# Altium PCB Urukul.PcbDoc (part 4 of 12) (continued)
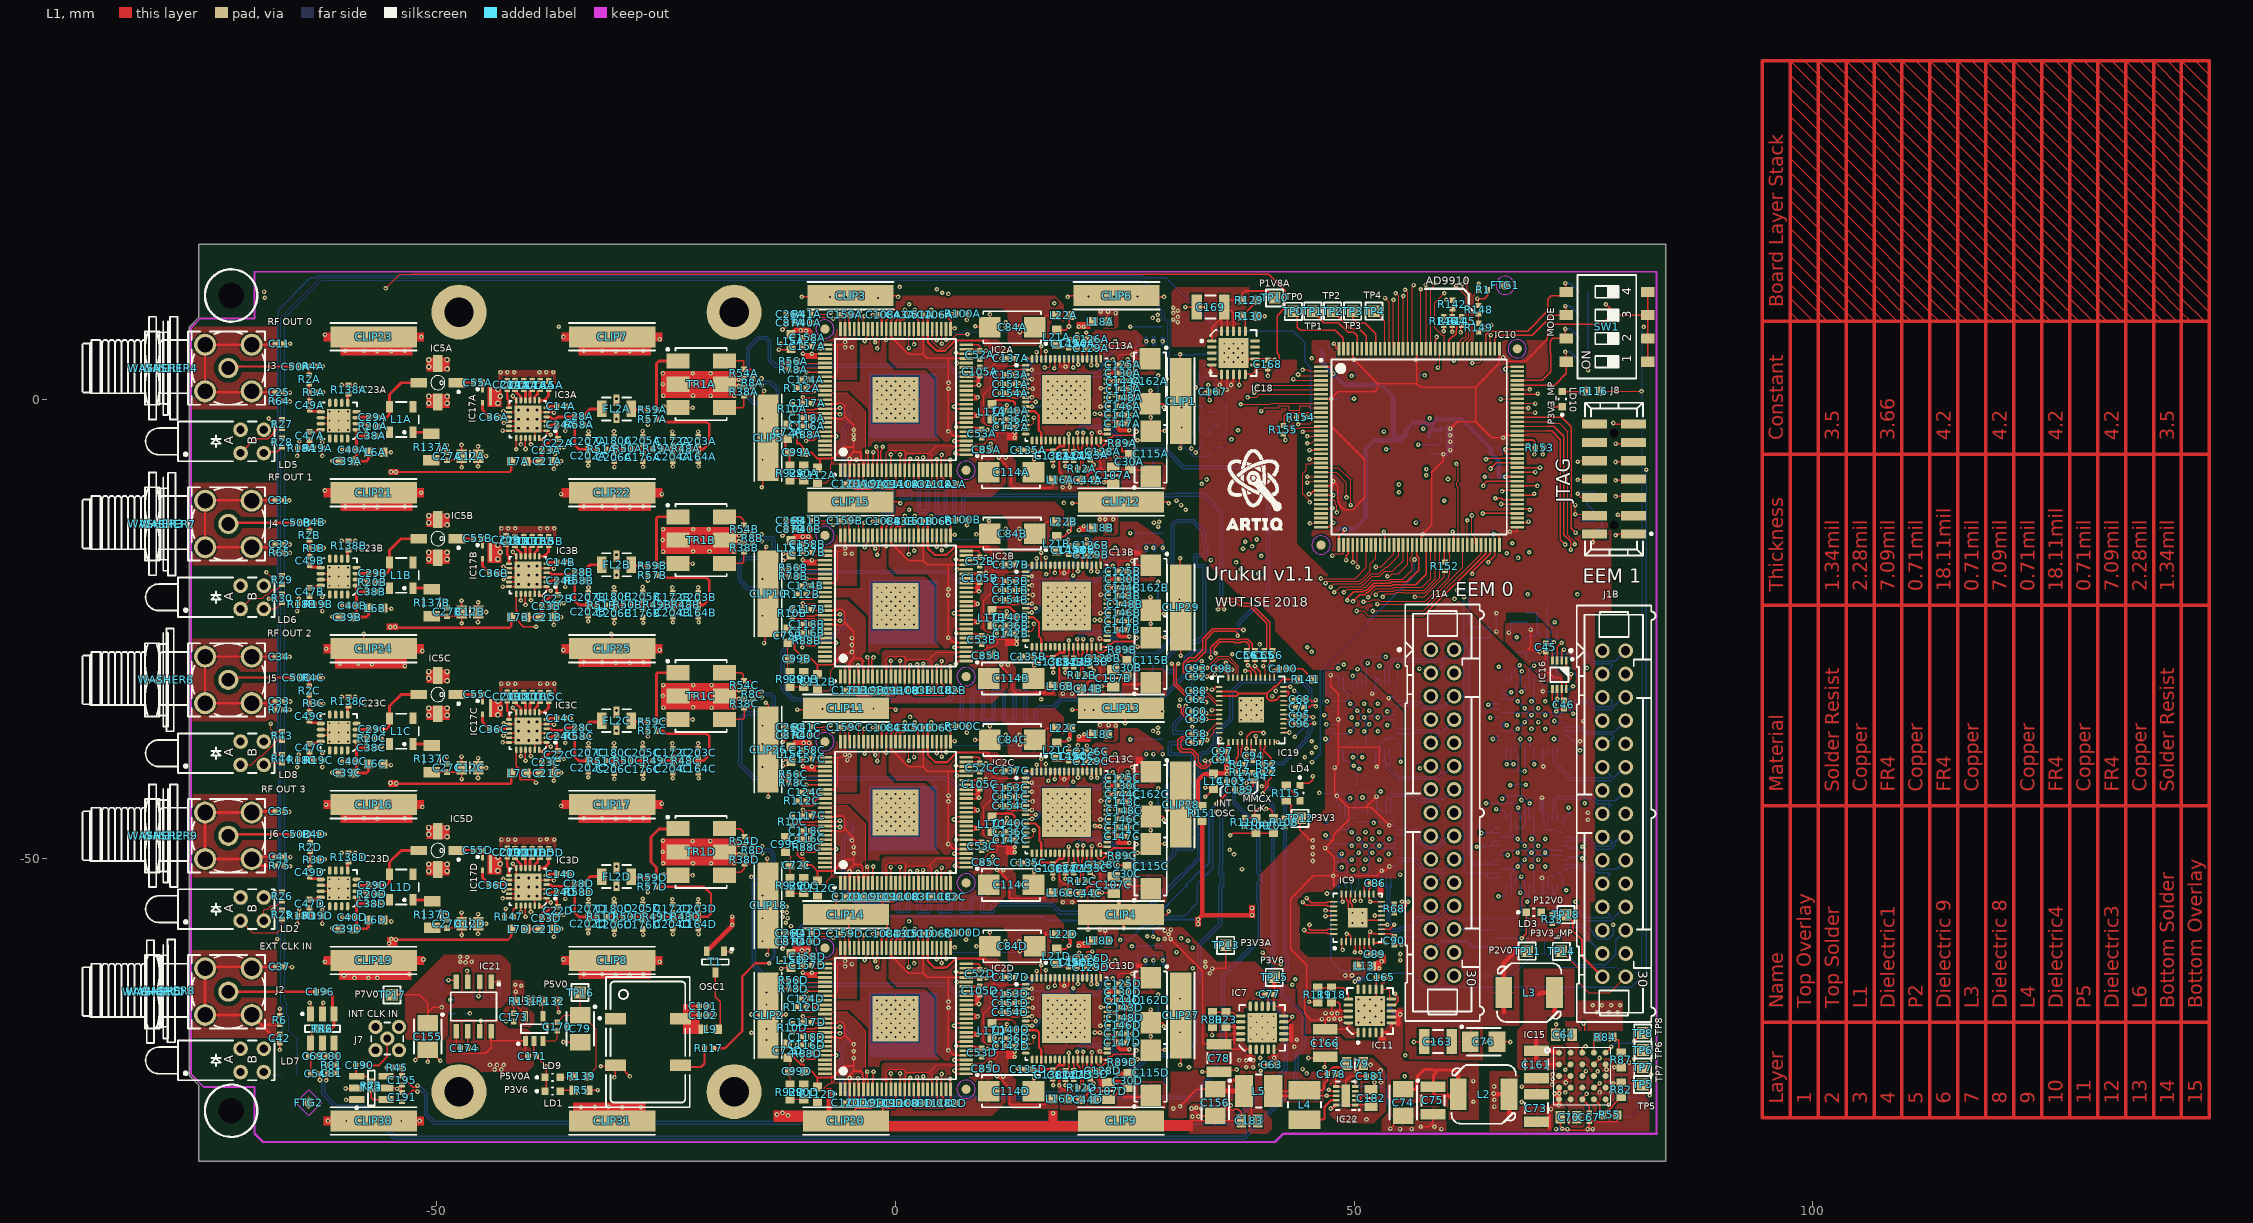
[diagram p0: L1 view]
## Nets (pads, with @x,y where several pads share a name; then routed paths per layer and width w, separated by ;. In a path a pad name is that pad's centre, name@x,y a point inside that pad or via, vN(x,y) a via of type N, cw(c..) or ccw(c..) an arc to the next point about the centre after c; other vN are vias at no path point) (continued)
DDS_CLKA0_N: C93.1 IC13A.28 R12A.2 | length 54.7
  L1 w0.152: v1(20.466,-3.614) 20.466,-4.374 IC13A.28@20.39,-4.45 20.39,-5.087 20.306,-5.172 20.283,-5.172 20.283,-5.893 20.477,-6.088 20.477,-7.21 R12A.2@20.795,-7.528 ; C93.1@32.35,-29.293 32.052,-29.59 31.696,-29.59 31.696,-28.85 32.102,-28.444 32.772,-28.444 33.804,-27.412 33.804,-26.183 34.718,-25.269 37.107,-25.269 37.182,-25.344 37.3,-25.463 v1(37.3,-25.745)
  L6 w0.152: v1(20.466,-3.614) 20.292,-3.44 20.292,-3.126 20.32,-3.099 22.088,-3.099 22.095,-3.092 22.47,-3.092 22.477,-3.099 23.121,-3.099 24.994,-4.972 24.994,-4.998 25.453,-5.457 25.479,-5.457 25.6,-5.578 29.397,-5.578 31.326,-7.507 37.757,-7.507 40.5,-10.25 40.5,-21.098 37.339,-24.259 37.249,-24.349 37.249,-25.133 37.339,-25.222 37.449,-25.332 37.3,-25.481 v1(37.3,-25.745)
DDS_CLKA0_P: C92.1 IC13A.27 R12A.1 | length 56.1
  L1 w0.152: R12A.1@19.855,-7.528 20.173,-7.21 20.173,-6.214 19.978,-6.019 19.978,-5.298 19.89,-5.21 IC13A.27@19.89,-4.45 v1@19.89,-3.69 ; C92.1@32.35,-30.193 32.052,-29.895 31.569,-29.895 31.391,-29.716 31.391,-28.724 31.976,-28.139 32.646,-28.139 33.499,-27.285 33.499,-26.057 34.592,-24.964 37.435,-24.964 ; 37.487,-24.963 37.538,-24.963 37.665,-25.09
  L6 w0.152: v1(19.814,-3.614) 19.988,-3.44 19.988,-3 20.194,-2.794 21.961,-2.794 21.968,-2.787 22.596,-2.787 22.603,-2.794 23.247,-2.794 25.299,-4.846 25.299,-4.872 25.579,-5.152 25.605,-5.152 25.727,-5.273 29.523,-5.273 31.453,-7.203 37.884,-7.203 40.805,-10.124 40.805,-21.224 37.554,-24.475 37.554,-25.007 37.664,-25.117 v1(37.944,-25.117)
DDS_CLKA1_N: C88.1 IC13B.28 R12B.2 | length 59.4
  L1 w0.152: v1(20.466,-26.114) 20.39,-26.19 IC13B.28@20.39,-26.95 20.39,-27.651 20.292,-27.749 20.292,-28.403 20.477,-28.588 20.477,-29.71 R12B.2@20.795,-30.028 ; v1(30.826,-28.799) 30.629,-28.997 30.629,-29.243 30.62,-29.252 30.62,-30.907 31.763,-32.05 32.052,-32.05 C88.1@32.35,-31.753
  L6 w0.152: v1(20.466,-26.114) 20.292,-25.94 20.292,-25.626 20.364,-25.555 23.077,-25.555 24.994,-27.472 24.994,-27.498 25.453,-27.957 28.51,-27.957 30.366,-26.101 30.366,-13.705 30.696,-13.375 32.375,-13.375 33.5,-14.5 33.5,-15.826 ccw(c33.652,-15.826) 33.652,-15.979 33.729,-15.979 33.729,-16.826 32.689,-16.826 ccw(c32.689,-16.979) 32.537,-16.979 32.537,-18.131 ccw(c32.689,-18.131) 32.689,-18.283 33.5,-18.283 33.5,-25.624 32.874,-26.25 ; v1@30.629,-28.85 30.629,-29.302 30.216,-29.716 30.126,-29.805 29.624,-29.805 29.195,-29.376 29.195,-28.314 31.259,-26.25 32.874,-26.25 ; 32.875,-26.249 32.874,-26.25
DDS_CLKA1_P: C62.1 IC13B.27 R12B.1 | length 60
  L1 w0.152: v1(19.814,-26.114) 19.89,-26.19 IC13B.27@19.89,-26.95 19.89,-27.651 19.988,-27.749 19.988,-28.529 20.173,-28.714 20.173,-29.71 R12B.1@19.855,-30.028 ; v1(30.126,-28.799) 30.273,-28.799 30.324,-28.85 30.324,-29.117 ; 30.315,-29.161 30.315,-31.033 31.637,-32.355 32.052,-32.355 C62.1@32.35,-32.653
  L6 w0.152: v1(19.814,-26.114) 19.988,-25.94 19.988,-25.5 20.238,-25.25 23.203,-25.25 25.299,-27.346 25.299,-27.372 25.579,-27.652 28.384,-27.652 30.061,-25.974 30.061,-13.579 30.481,-13.16 30.57,-13.07 32.501,-13.07 33.805,-14.374 33.805,-15.674 33.881,-15.674 cw(c33.881,-15.826) 34.033,-15.826 34.033,-16.979 cw(c33.881,-16.979) 33.881,-17.131 32.842,-17.131 32.842,-17.979 33.652,-17.979 cw(c33.652,-18.131) 33.805,-18.131 33.805,-25.75 33,-26.555 31.385,-26.555 29.5,-28.44 29.5,-29.25 29.75,-29.5 30,-29.5 30.324,-29.176 30.324,-28.997 v1(30.126,-28.799)
DDS_CLKA2_N: C60.1 IC13C.28 R12C.2 | length 60.4
  L1 w0.152: v1@20.39,-48.749 IC13C.28@20.39,-49.45 20.39,-50.151 20.292,-50.249 20.292,-50.903 20.477,-51.088 20.477,-52.21 R12C.2@20.795,-52.528 ; v1(31.639,-33.397) 31.442,-33.594 31.442,-34.022 31.67,-34.25 32.052,-34.25 C60.1@32.35,-33.953
  L6 w0.152: v1(20.466,-48.614) 20.292,-48.44 20.292,-48.126 20.362,-48.057 23.079,-48.057 24.994,-49.972 24.994,-49.998 25.453,-50.457 25.479,-50.457 25.658,-50.636 29.545,-50.636 30.466,-49.716 30.555,-49.626 30.555,-49.155 32.388,-49.155 ccw(c32.388,-49.003) 32.541,-49.003 32.541,-47.85 ccw(c32.388,-47.85) 32.388,-47.698 30.309,-47.698 30.309,-46.85 32.388,-46.85 ccw(c32.388,-46.698) 32.541,-46.698 32.541,-45.545 ccw(c32.388,-45.545) 32.388,-45.393 30.555,-45.393 30.555,-44.545 32.388,-44.545 ccw(c32.388,-44.393) 32.541,-44.393 32.541,-43.241 ccw(c32.388,-43.241) 32.388,-43.088 29.724,-43.088 29.724,-42.241 32.388,-42.241 ccw(c32.388,-42.088) 32.541,-42.088 32.541,-40.936 ccw(c32.388,-40.936) 32.388,-40.783 30.069,-40.783 30.069,-39.936 32.388,-39.936 ccw(c32.388,-39.783) 32.541,-39.783 32.541,-38.631 ccw(c32.388,-38.631) 32.388,-38.479 30.064,-38.479 30.064,-37.631 31.564,-37.631 ccw(c31.564,-37.479) 31.716,-37.479 31.716,-36.326 ccw(c31.564,-36.326) 31.564,-36.174 30.555,-36.174 30.555,-35.452 31.639,-34.367 v1(31.639,-33.397)
DDS_CLKA2_P: C59.1 IC13C.27 R12C.1 | length 61.2
  L1 w0.152: v1@19.801,-48.601 v1(19.814,-48.614) 19.89,-48.69 IC13C.27@19.89,-49.45 19.89,-50.151 19.988,-50.249 19.988,-51.029 20.173,-51.214 20.173,-52.21 R12C.1@19.855,-52.528 ; v1(30.939,-33.397) 31.137,-33.594 31.137,-34.148 31.534,-34.545 31.534,-34.555 32.052,-34.555 C59.1@32.35,-34.853
  L6 w0.152: v1(19.814,-48.614) 19.988,-48.44 19.988,-48 20.236,-47.752 23.205,-47.752 25.299,-49.846 25.299,-49.872 25.579,-50.152 25.605,-50.152 25.784,-50.331 29.419,-50.331 30.25,-49.5 30.25,-49.003 cw(c30.402,-49.003) 30.402,-48.85 32.236,-48.85 32.236,-48.003 30.156,-48.003 cw(c30.156,-47.85) 30.004,-47.85 30.004,-46.698 cw(c30.156,-46.698) 30.156,-46.545 32.236,-46.545 32.236,-45.698 30.402,-45.698 cw(c30.402,-45.545) 30.25,-45.545 30.25,-44.393 cw(c30.402,-44.393) 30.402,-44.241 32.236,-44.241 32.236,-43.393 29.571,-43.393 cw(c29.571,-43.241) 29.419,-43.241 29.419,-42.088 cw(c29.571,-42.088) 29.571,-41.936 32.236,-41.936 32.236,-41.088 29.917,-41.088 cw(c29.917,-40.936) 29.764,-40.936 29.764,-39.783 cw(c29.917,-39.783) 29.917,-39.631 32.236,-39.631 32.236,-38.783 29.911,-38.783 cw(c29.911,-38.631) 29.759,-38.631 29.759,-37.479 cw(c29.911,-37.479) 29.911,-37.326 31.411,-37.326 31.411,-36.479 30.402,-36.479 cw(c30.402,-36.326) 30.25,-36.326 30.25,-35.326 31.251,-34.324 31.251,-33.709 v1(30.939,-33.397)
DDS_CLKA3_N: C58.1 IC13D.28 R12D.2 | length 60.6
  L1 w0.152: v1@20.39,-71.249 IC13D.28@20.39,-71.95 20.39,-72.817 20.477,-72.904 20.477,-74.71 R12D.2@20.795,-75.028 ; C58.1@32.35,-36.453 31.764,-36.453 31.466,-36.75 31.205,-36.75 30.798,-37.157 30.798,-38.012 31.23,-38.445 32.246,-38.445 32.703,-38.902 32.703,-39.638 33.262,-40.198 33.845,-40.198 34.405,-39.638 v1(34.405,-39.381)
  L6 w0.152: v1(20.466,-71.114) 20.292,-70.94 20.292,-70.626 20.364,-70.555 23.077,-70.555 24.994,-72.472 24.994,-72.498 25.173,-72.676 25.208,-72.676 25.463,-72.932 26.499,-72.932 27.769,-71.662 31.269,-71.662 32.805,-70.126 32.805,-63.945 33.305,-63.445 33.305,-59.531 35.569,-57.268 35.569,-55.555 35.569,-53.131 35.645,-53.131 ccw(c35.645,-52.979) 35.797,-52.979 35.797,-51.826 ccw(c35.645,-51.826) 35.645,-51.674 35.569,-51.674 35.569,-50.834 35.658,-50.745 35.658,-45.46 36.116,-45.002 36.116,-43.353 35.658,-42.896 35.658,-41.823 34.227,-40.392 34.227,-39.559 v1(34.405,-39.381)
DDS_CLKA3_P: C57.1 IC13D.27 R12D.1 | length 59.3
  L1 w0.152: R12D.1@19.855,-75.028 20.173,-74.71 20.173,-73.03 20.085,-72.943 20.085,-72.812 19.822,-72.548 19.822,-72.018 IC13D.27@19.89,-71.95 v1@19.89,-71.19 ; C57.1@32.35,-37.353 31.764,-37.353 31.466,-37.055 31.331,-37.055 31.103,-37.284 31.103,-37.886 31.357,-38.14 32.372,-38.14 33.008,-38.776 33.008,-39.512 33.389,-39.893 33.719,-39.893 33.926,-39.685 v1@33.719,-39.478
  L6 w0.152: v1(19.814,-71.114) 19.988,-70.94 19.988,-70.5 20.238,-70.25 23.203,-70.25 25.299,-72.346 25.299,-72.372 25.335,-72.372 25.59,-72.627 26.373,-72.627 27.643,-71.357 31.143,-71.357 32.5,-70 32.5,-63.819 33,-63.319 33,-59.405 34.442,-57.963 35.264,-57.141 35.264,-55.555 35.264,-52.979 cw(c35.416,-52.979) 35.416,-52.826 35.493,-52.826 35.493,-51.979 35.416,-51.979 cw(c35.416,-51.826) 35.264,-51.826 35.264,-50.708 35.353,-50.619 35.353,-45.334 35.811,-44.876 35.811,-43.479 35.353,-43.022 35.353,-41.949 33.922,-40.518 33.922,-39.537 v1(33.744,-39.359)
DDS_CLKB0_N: C66.1 IC2A.91 R10A.2 | length 103.8
  L1 w0.152: R10A.2@-11.25,-1.723 -10.664,-1.723 -10.643,-1.702 -10.643,-1.608 -10.437,-1.402 -8.824,-1.402 -8.726,-1.5 IC2A.91@-7.7,-1.5 v1@-6.15,-1.5 ; v1(35.167,-22.849) 35.344,-22.672 35.344,-22.164 35.802,-21.706 37.249,-21.706 37.737,-22.195 38.754,-22.195 40.805,-24.246 40.805,-27.108 C66.1@41.1,-27.403
  L6 w0.152: v1(-6.05,-1.6) -5.852,-1.402 -5.642,-1.402 -5.302,-1.742 -5.302,-2.605 -5.805,-3.107 -5.805,-8.179 -3.376,-10.607 -2.204,-10.607 -2.115,-10.518 -2.115,-9.983 -1.455,-9.983 -1.455,-12.629 -1.365,-12.718 -0.274,-12.718 -0.185,-12.629 -0.185,-9.442 0.476,-9.442 0.476,-10.751 0.565,-10.84 1.657,-10.84 1.746,-10.751 1.746,-9.442 2.406,-9.442 2.406,-12.263 2.495,-12.352 3.587,-12.352 3.676,-12.263 3.676,-9.442 4.337,-9.442 4.337,-12.629 4.426,-12.718 5.517,-12.718 5.607,-12.629 5.607,-9.442 6.267,-9.442 6.267,-12.623 6.356,-12.712 7.448,-12.712 7.537,-12.623 7.537,-10.607 30.356,-10.607 30.442,-10.522 33.522,-10.522 35.353,-12.353 35.353,-22.646 35.167,-22.833 v1(35.167,-22.849)
DDS_CLKB0_P: C65.1 IC2A.90 R10A.1 | length 103.3
  L1 w0.152: R10A.1@-11.25,-0.783 -10.664,-0.783 -10.349,-1.098 -8.824,-1.098 -8.726,-1 IC2A.90@-7.7,-1 v1@-6.15,-1 ; v1(35.827,-22.849) 35.649,-22.672 35.649,-22.291 35.929,-22.011 37.122,-22.011 37.611,-22.5 38.628,-22.5 40.501,-24.373 40.501,-27.102 C65.1@40.2,-27.403
  L6 w0.152: v1(-6.05,-0.9) -5.916,-1.034 -5.852,-1.098 -5.414,-1.098 -4.998,-1.514 -4.998,-2.731 -5.5,-3.234 -5.5,-8.053 -3.25,-10.303 -2.42,-10.303 -2.42,-9.767 -2.331,-9.678 -1.239,-9.678 -1.15,-9.767 -1.15,-12.414 -0.489,-12.414 -0.489,-9.226 -0.4,-9.137 0.691,-9.137 0.781,-9.226 0.781,-10.536 1.441,-10.536 1.441,-9.226 1.53,-9.137 2.622,-9.137 2.711,-9.226 2.711,-12.047 3.371,-12.047 3.371,-9.226 3.461,-9.137 4.552,-9.137 4.641,-9.226 4.641,-12.414 5.302,-12.414 5.302,-9.226 5.391,-9.137 6.483,-9.137 6.572,-9.226 6.572,-12.407 7.232,-12.407 7.232,-10.392 7.321,-10.303 30.23,-10.303 30.316,-10.217 33.648,-10.217 35.658,-12.227 35.658,-22.68 v1(35.827,-22.849)
DDS_CLKB1_N: C61.1 IC2B.91 R10B.2 | length 103.2
  L1 w0.152: R10B.2@-11.25,-23.753 -11.1,-23.902 -8.824,-23.902 -8.726,-24 IC2B.91@-7.7,-24 -6.15,-24 v1(-6.05,-24.1) ; v1(34.388,-28.113) 34.388,-26.997 35.284,-26.101 37.015,-26.101 37.112,-26.198 37.488,-26.198 37.586,-26.101 38.387,-26.101 38.902,-26.616 38.902,-27.105 C61.1@39.2,-27.403
  L6 w0.152: v1(-6.05,-24.1) -5.852,-23.902 -5.75,-23.902 -5.5,-24.152 -5.5,-24.477 -6.12,-25.097 -6.349,-25.097 -6.439,-25.186 -7.201,-25.948 -11.061,-25.948 -12.369,-27.257 -12.458,-27.346 -12.458,-31.586 -12.369,-31.676 -11.187,-32.857 6.076,-32.857 ccw(c6.076,-32.705) 6.229,-32.705 6.229,-31.942 7.076,-31.942 7.076,-35.066 ccw(c7.229,-35.066) 7.229,-35.218 8.381,-35.218 ccw(c8.381,-35.066) 8.533,-35.066 8.533,-31.942 9.381,-31.942 9.381,-34.988 ccw(c9.533,-34.988) 9.533,-35.14 10.686,-35.14 ccw(c10.686,-34.988) 10.838,-34.988 10.838,-31.942 11.686,-31.942 11.686,-35.066 ccw(c11.838,-35.066) 11.838,-35.218 12.991,-35.218 ccw(c12.991,-35.066) 13.143,-35.066 13.143,-31.942 13.991,-31.942 13.991,-35.066 ccw(c14.143,-35.066) 14.143,-35.218 15.295,-35.218 ccw(c15.295,-35.066) 15.448,-35.066 15.448,-34.057 15.824,-33.68 17.322,-33.68 18.145,-32.857 23.576,-32.857 ccw(c23.576,-32.705) 23.729,-32.705 23.729,-32.088 24.576,-32.088 24.576,-32.705 ccw(c24.729,-32.705) 24.729,-32.857 28.957,-32.857 31.797,-30.018 31.797,-28.296 31.87,-28.223 31.87,-28.219 32.534,-27.555 34.185,-27.555 34.388,-27.758 v1(34.388,-28.113)
DDS_CLKB1_P: C56.1 IC2B.90 R10B.1 | length 102.3
  L1 w0.152: R10B.1@-11.25,-22.813 -10.813,-23.25 -10.75,-23.25 -10.402,-23.598 -8.824,-23.598 -8.726,-23.5 IC2B.90@-7.7,-23.5 -6.15,-23.5 v1(-6.05,-23.4) ; v1(34.921,-27.656) 34.744,-27.478 34.744,-27.072 35.41,-26.405 36.889,-26.405 36.986,-26.503 37.614,-26.503 37.712,-26.405 38.261,-26.405 38.598,-26.742 38.598,-27.105 C56.1@38.3,-27.403
  L6 w0.152: v1(-6.05,-23.4) -5.852,-23.598 -5.624,-23.598 -5.195,-24.026 -5.195,-24.603 -5.994,-25.402 -6.223,-25.402 -7.074,-26.253 -10.934,-26.253 -12.154,-27.472 -12.154,-31.46 -11.061,-32.553 5.924,-32.553 5.924,-31.789 cw(c6.076,-31.789) 6.076,-31.637 7.229,-31.637 cw(c7.229,-31.789) 7.381,-31.789 7.381,-34.914 8.229,-34.914 8.229,-31.789 cw(c8.381,-31.789) 8.381,-31.637 9.533,-31.637 cw(c9.533,-31.789) 9.686,-31.789 9.686,-34.836 10.533,-34.836 10.533,-31.789 cw(c10.686,-31.789) 10.686,-31.637 11.838,-31.637 cw(c11.838,-31.789) 11.991,-31.789 11.991,-34.914 12.838,-34.914 12.838,-31.789 cw(c12.991,-31.789) 12.991,-31.637 14.143,-31.637 cw(c14.143,-31.789) 14.295,-31.789 14.295,-34.914 15.143,-34.914 15.143,-33.931 15.698,-33.376 17.196,-33.376 18.019,-32.553 23.414,-32.553 23.424,-32.543 23.424,-31.935 cw(c23.576,-31.935) 23.576,-31.783 24.729,-31.783 cw(c24.729,-31.935) 24.881,-31.935 24.881,-32.553 28.831,-32.553 31.492,-29.891 31.492,-28.17 31.565,-28.097 31.565,-28.092 32.408,-27.25 34.311,-27.25 34.717,-27.656 v1(34.921,-27.656)
DDS_CLKB2_N: C71.1 IC2C.91 R10C.2 | length 103.9
  L1 w0.152: R10C.2@-11.25,-46.47 -10.932,-46.152 -10.79,-46.152 -10.54,-46.402 -8.824,-46.402 -8.726,-46.5 IC2C.91@-7.7,-46.5 -6.05,-46.5 v1@-6.024,-46.5 ; C71.1@44.55,-33.553 45.136,-33.553 45.434,-33.255 45.733,-33.255 45.809,-33.331 v1(45.809,-33.441)
  L6 w0.152: v1(-6.05,-46.6) -5.852,-46.402 -5.134,-46.402 -4.905,-46.631 -4.905,-47.086 -5.109,-47.289 -5.839,-48.02 -5.839,-53.463 -5.716,-53.587 -4.192,-55.11 -4.103,-55.2 -0.924,-55.2 ccw(c-0.924,-55.047) -0.771,-55.047 -0.771,-54.442 0.076,-54.442 0.076,-55.761 ccw(c0.229,-55.761) 0.229,-55.913 1.381,-55.913 ccw(c1.381,-55.761) 1.533,-55.761 1.533,-54.442 2.381,-54.442 2.381,-55.802 ccw(c2.533,-55.802) 2.533,-55.954 3.686,-55.954 ccw(c3.686,-55.802) 3.838,-55.802 3.838,-54.442 4.686,-54.442 4.686,-55.802 ccw(c4.838,-55.802) 4.838,-55.954 5.991,-55.954 ccw(c5.991,-55.802) 6.143,-55.802 6.143,-54.442 6.991,-54.442 6.991,-55.802 ccw(c7.143,-55.802) 7.143,-55.954 8.295,-55.954 ccw(c8.295,-55.802) 8.448,-55.802 8.448,-54.442 9.295,-54.442 9.295,-55.802 ccw(c9.448,-55.802) 9.448,-55.954 10.6,-55.954 ccw(c10.6,-55.802) 10.753,-55.802 10.753,-55.2 17,-55.2 17.908,-56.107 27.081,-56.107 29.486,-53.703 29.612,-53.703 33.245,-50.069 33.245,-39.365 33.279,-39.332 33.266,-39.319 33.266,-38.943 33.531,-38.678 33.907,-38.678 33.92,-38.691 34.951,-37.659 34.951,-36.668 36.776,-34.844 36.776,-31.949 37.87,-30.854 44.238,-30.854 45.063,-31.679 45.063,-33.229 45.276,-33.441 v1(45.809,-33.441)
DDS_CLKB2_P: C68.1 IC2C.90 R10C.1 | length 103.9
  L1 w0.152: R10C.1@-11.25,-45.53 -10.932,-45.848 -10.537,-45.848 -10.287,-46.098 -8.824,-46.098 -8.726,-46 IC2C.90@-7.7,-46 -6.15,-46 v1(-6.05,-45.9) ; C68.1@44.55,-32.653 45.136,-32.653 45.434,-32.95 45.733,-32.95 45.809,-32.874 v1(45.809,-32.755)
  L6 w0.152: v1(-6.05,-45.9) -5.852,-46.098 -5.008,-46.098 -4.601,-46.505 -4.601,-47.212 -5.534,-48.146 -5.534,-53.337 -3.977,-54.895 -1.076,-54.895 -1.076,-54.289 cw(c-0.924,-54.289) -0.924,-54.137 0.229,-54.137 cw(c0.229,-54.289) 0.381,-54.289 0.381,-55.609 1.229,-55.609 1.229,-54.289 cw(c1.381,-54.289) 1.381,-54.137 2.533,-54.137 cw(c2.533,-54.289) 2.686,-54.289 2.686,-55.649 3.533,-55.649 3.533,-54.289 cw(c3.686,-54.289) 3.686,-54.137 4.838,-54.137 cw(c4.838,-54.289) 4.991,-54.289 4.991,-55.649 5.838,-55.649 5.838,-54.289 cw(c5.991,-54.289) 5.991,-54.137 7.143,-54.137 cw(c7.143,-54.289) 7.295,-54.289 7.295,-55.649 8.143,-55.649 8.143,-54.289 cw(c8.295,-54.289) 8.295,-54.137 9.448,-54.137 cw(c9.448,-54.289) 9.6,-54.289 9.6,-55.649 10.448,-55.649 10.448,-55.047 cw(c10.6,-55.047) 10.6,-54.895 17.127,-54.895 18.034,-55.803 26.955,-55.803 29.36,-53.398 29.486,-53.398 32.941,-49.943 32.941,-39.239 32.961,-39.219 32.961,-38.817 33.405,-38.373 33.807,-38.373 34.646,-37.533 34.646,-36.542 36.471,-34.717 36.471,-31.823 37.488,-30.806 37.744,-30.549 44.364,-30.549 44.716,-30.901 45.301,-31.485 45.368,-31.553 45.368,-33 45.428,-33.06 45.513,-33.06 45.809,-32.764 v1(45.809,-32.755)
DDS_CLKB3_N: C96.1 IC2D.91 R10D.2 | length 104.6
  L1 w0.152: R10D.2@-11.25,-68.97 -11.185,-68.905 -10.163,-68.905 ; -10.163,-68.902 -8.824,-68.902 -8.726,-69 IC2D.91@-7.7,-69 -6.15,-69 v1@-6.061,-69.089 ; C96.1@44.55,-35.353 44.607,-35.295 44.942,-35.63 45.219,-35.353 45.523,-35.353 45.606,-35.27 v1(45.657,-35.27)
  L6 w0.152: v1(-6.05,-69.1) -5.852,-68.902 -5.65,-68.902 -5.25,-69.303 -5.25,-69.803 -6.055,-70.607 -6.055,-71.247 -5.999,-71.302 -5.999,-71.698 -6.055,-71.753 -6.055,-75.179 -4.987,-76.247 14.814,-76.247 15.278,-75.783 22.602,-75.783 23.066,-76.247 32.202,-76.247 35.048,-73.401 35.048,-70.918 35.833,-70.133 35.833,-62.939 39.72,-59.053 39.868,-58.905 39.868,-54.74 39.72,-54.592 39.716,-54.587 39.716,-52.881 39.792,-52.881 ccw(c39.792,-52.729) 39.944,-52.729 39.944,-51.576 ccw(c39.792,-51.576) 39.792,-51.424 39.716,-51.424 39.716,-46.548 37.055,-43.888 37.055,-40.839 38.071,-39.823 42.287,-39.823 44.912,-37.198 44.912,-37.052 45.192,-36.772 45.192,-36.268 45.428,-36.032 45.428,-35.397
DDS_CLKB3_P: C95.1 IC2D.90 R10D.1 | length 104.7
  L1 w0.152: R10D.1@-11.25,-68.03 -11.03,-68.25 -10.75,-68.25 -10.402,-68.598 -8.824,-68.598 -8.726,-68.5 IC2D.90@-7.7,-68.5 v1@-6.15,-68.5 ; C95.1@44.55,-34.453 45.093,-34.453 45.254,-34.614 45.53,-34.614 v1(45.53,-34.61)
  L6 w0.152: v1(-6.05,-68.4) -5.852,-68.598 -5.524,-68.598 -5.034,-69.087 -4.945,-69.176 -4.945,-69.929 -5.034,-70.018 -5.75,-70.734 -5.75,-71.12 -5.695,-71.176 -5.695,-71.824 -5.75,-71.88 -5.75,-75.053 -4.861,-75.942 14.688,-75.942 15.151,-75.478 22.728,-75.478 23.192,-75.942 32.076,-75.942 34.744,-73.275 34.744,-70.792 35.529,-70.007 35.529,-62.813 39.563,-58.778 39.563,-54.866 39.5,-54.803 39.411,-54.713 39.411,-52.729 cw(c39.563,-52.729) 39.563,-52.576 39.639,-52.576 39.639,-51.729 39.563,-51.729 cw(c39.563,-51.576) 39.411,-51.576 39.411,-46.674 36.75,-44.014 36.75,-40.713 37.945,-39.518 42.16,-39.518 44.607,-37.071 44.607,-36.926 44.887,-36.646 44.887,-36.142 45.066,-35.964 45.066,-35.088 45.063,-35.085 45.179,-34.969 45.221,-34.969 45.53,-34.66 v1(45.53,-34.61)
DDS_CSN0: IC2A.70 IC10.119 IC13A.61 | length 74.7
  L1 w0.127: IC2A.70@-3.5,7.7 -3.5,8.997 v1(-3.4,9.097) ; IC13A.61@16.39,4.45 16.39,5.262 v1(16.4,5.272) ; IC10.119@60.85,5.547 60.855,5.543 v1@60.855,4.25
  L4 w0.127: v1(-3.4,9.097) -3.4,8.572 -2.7,7.872 5.175,7.872 6.371,6.676 8.038,6.676 8.184,6.822 13.051,6.822 13.252,6.621 13.868,6.621 14.069,6.822 16.275,6.822 16.4,6.697 v1(16.4,5.272) 16.694,5.272 17.928,6.506 19.44,6.506 19.542,6.405 21.06,6.405 21.41,6.754 21.41,6.871 22.009,7.471 22.126,7.471 22.612,7.957 24.614,7.957 24.768,7.802 25.083,7.802 25.404,7.482 25.848,7.482 26.323,7.957 28.205,7.957 28.462,7.7 34.732,7.7 34.746,7.713 40.091,7.713 40.105,7.7 40.34,7.7 44.005,4.035 45.583,4.035 45.735,3.882 50.193,3.882 50.513,3.561 56.237,3.561 56.557,3.882 56.943,3.882 57.305,4.245 59.448,4.245 59.472,4.221 60.861,4.221 v1(60.89,4.25)
DDS_CSN1: IC2B.70 IC10.5 IC13B.61 | length 73.9
  L1 w0.127: IC2B.70@-3.5,-14.8 -3.5,-13.503 v1(-3.4,-13.403) ; IC13B.61@16.39,-18.05 16.39,-17.238 v1(16.4,-17.228) ; v1(39.39,1.5) 39.487,1.597 IC10.5@46.4,1.597
  L3 w0.127: v1(39.39,-15.25) 39.419,-15.221 39.419,-13.439 39.419,0.371 39.606,0.557 39.606,1.285 v1(39.39,1.5)
  L4 w0.127: v1(-3.4,-13.403) -3.4,-13.928 -2.7,-14.628 5.175,-14.628 6.225,-15.678 16.275,-15.678 16.4,-15.803 v1(16.4,-17.228) 16.875,-17.228 18.345,-15.758 19.17,-15.758 20.445,-14.483 21.419,-14.483 21.529,-14.373 24.759,-14.373 25.404,-15.018 25.79,-15.018 26.333,-14.475 38.86,-14.475 39.39,-15.005 v1(39.39,-15.25)
DDS_CSN2: IC2C.70 IC10.16 IC13C.61 | length 92.4
  L1 w0.127: IC2C.70@-3.5,-37.3 -3.5,-36.003 v1(-3.4,-35.903) ; IC13C.61@16.39,-40.55 16.39,-39.738 v1(16.4,-39.728) ; v1(44.89,-4) 46.303,-4 IC10.16@46.4,-3.903
  L3 w0.127: v1(44.89,-4) 44.062,-4.828 44.062,-27.817 44.728,-28.482 44.728,-30.018 44.706,-30.039 44.706,-30.861 44.982,-31.136 44.982,-32.364 44.708,-32.637 44.708,-36.081 45.39,-36.762 v1(45.39,-37.25)
  L4 w0.127: v1(-3.4,-35.903) -3.4,-36.428 -2.7,-37.128 5.175,-37.128 6.225,-38.178 16.275,-38.178 16.4,-38.303 v1(16.4,-39.728) 17.611,-39.728 19.352,-37.986 19.352,-37.57 19.72,-37.203 20.275,-37.203 20.521,-36.956 20.773,-36.956 20.827,-36.902 24.355,-36.902 25.067,-37.613 26.182,-37.613 26.689,-37.106 33.335,-37.106 33.807,-37.578 36.987,-37.578 37.518,-37.047 38.673,-37.047 38.808,-37.182 40.145,-37.182 40.482,-36.845 42.177,-36.845 42.582,-37.25 v1(45.39,-37.25)
DDS_CSN3: IC2D.70 IC10.24 IC13D.61 | length 113.3
  L1 w0.127: IC2D.70@-3.5,-59.8 -3.5,-58.503 v1(-3.4,-58.403) ; IC13D.61@16.39,-63.05 16.39,-62.238 v1(16.4,-62.228) ; IC10.24@46.4,-7.903 48.043,-7.903 49.174,-9.034 v1(49.174,-10.653)
  L3 w0.127: v1(31.14,-58.75) 31.053,-58.663 31.053,-57.785 31.404,-57.434 31.404,-38.5 32.797,-37.107 32.797,-35.5 32.39,-35.094 32.39,-13.25 31.606,-12.465 31.447,-12.465 31.174,-12.193 31.174,-11.534 v1(31.14,-11.5)
  L4 w0.127: v1(-3.4,-58.403) -3.4,-58.928 -2.7,-59.628 5.175,-59.628 6.225,-60.678 16.275,-60.678 16.4,-60.803 v1(16.4,-62.228) 17.038,-62.228 17.044,-62.221 20.514,-62.221 20.52,-62.228 20.625,-62.228 22.7,-60.153 25.164,-60.153 25.214,-60.202 26.225,-60.202 26.825,-59.603 29.834,-59.603 30.216,-59.221 30.669,-59.221 v1(31.14,-58.75) ; v1(31.14,-11.5) 31.17,-11.47 44.807,-11.47 44.979,-11.642 46.695,-11.642 47.332,-11.006 47.335,-11.006 47.452,-11.122 48.048,-11.122 48.165,-11.006 48.821,-11.006 v1(49.174,-10.653)
DDS_I/O_RESET: IC2A.71 IC2B.71 IC2C.71 IC2D.71 IC10.129 | length 144.4
  L1 w0.127: IC2D.71@-4,-59.8 -4,-58.003 v1(-3.9,-57.903) ; IC2C.71@-4,-37.3 -4,-35.503 v1(-3.9,-35.403) ; IC2B.71@-4,-14.8 -4,-13.003 v1(-3.9,-12.903) ; IC2A.71@-4,7.7 -4,9.497 v1(-3.9,9.597) ; v1(55.572,11.993) 55.85,11.715 IC10.129@55.85,5.547
  L3 w0.127: v1(-3.9,-57.903) -3.9,-52.036 -3.534,-51.67 -3.534,-51.581 -3.542,-51.573 -3.542,-51.277 -3.9,-50.919 v1(-3.9,-35.403) -3.9,-29.536 -3.534,-29.17 -3.534,-29.076 -3.542,-29.068 -3.542,-28.777 -3.866,-28.454 -3.866,-12.903 -3.866,-7.001 -3.534,-6.67 -3.534,-6.285 -3.9,-5.919 v1(-3.9,9.597) -3.9,10.097 -3.21,10.788 -3.21,11.538 -2.449,12.298 v1(0.454,12.298)
  L4 w0.127: v1(0.454,12.298) 0.724,12.569 54.996,12.569 v1(55.572,11.993)
DDS_PLL_LOCK0: IC2A.19 IC10.21 | length 46.8
  L1 w0.127: IC2A.19@3,-7.7 3,-6.314 v1(3.011,-6.303) ; v1(45.14,-6.5) 45.237,-6.403 IC10.21@46.4,-6.403
  L4 w0.127: v1(3.011,-6.303) 3.265,-6.303 4.211,-5.357 9.835,-5.357 10.054,-5.576 10.692,-5.576 10.911,-5.357 11.944,-5.357 12.97,-6.383 13.96,-6.383 14.417,-5.927 23.125,-5.927 23.56,-6.361 23.56,-6.432 23.818,-6.69 24.182,-6.69 24.369,-6.504 35.172,-6.504 35.611,-6.065 44.705,-6.065 v1(45.14,-6.5)
DDS_PLL_LOCK1: IC2B.19 IC10.35 | length 61.7
  L1 w0.127: IC2B.19@3,-30.2 3,-28.814 v1(3.011,-28.803) ; v1(45.187,-13.466) 46.337,-13.466 IC10.35@46.4,-13.403
  L3 w0.127: v1(45.187,-13.466) 45.187,-13.883 45.373,-14.07 v1@45.373,-27.483 ; v1@45.361,-27.471 v1@45.373,-27.483 ; v1(45.39,-27.5) v1@45.373,-27.483
  L4 w0.127: v1(3.011,-28.803) 3.011,-29.173 3.61,-29.772 16.558,-29.772 17.018,-29.312 17.058,-29.312 17.596,-28.774 23.651,-28.774 24.067,-29.19 29.077,-29.19 29.934,-28.334 30.913,-28.334 30.929,-28.35 32.126,-28.35 33.691,-26.785 38.387,-26.785 39.124,-27.521 45.369,-27.521 v1(45.39,-27.5)
DDS_PLL_LOCK2: IC2C.19 IC10.41 | length 86.4
  L1 w0.127: IC2C.19@3,-52.7 3,-51.314 v1(3.011,-51.303) ; IC10.41@50.35,-15.853 50.35,-17.552 50.355,-17.557 50.355,-18.215 v1(50.39,-18.25)
  L3 w0.127: v1(36.906,-49.581) 37.273,-49.214 37.273,-47.178 37.14,-47.045 37.14,-35.922 36.852,-35.633 36.852,-30.991 37.419,-30.424 37.419,-28.066 37.436,-28.05 37.436,-27.819 38.189,-27.066 38.189,-26.198 38.735,-25.652 38.735,-24.462 37.656,-23.383 37.656,-18.516 v1(37.64,-18.5)
  L4 w0.127: v1(3.011,-51.303) 3.011,-50.473 4.467,-49.017 8.582,-49.017 9.014,-49.448 10.208,-49.448 10.335,-49.321 11.427,-49.321 12.177,-50.072 13.298,-50.072 13.514,-49.856 23.187,-49.856 23.288,-49.754 23.877,-49.754 24.699,-50.576 25.704,-50.576 25.798,-50.483 36.004,-50.483 v1(36.906,-49.581) ; v1(37.64,-18.5) 44.662,-18.5 45.018,-18.143 47.498,-18.143 47.854,-18.5 50.14,-18.5 v1(50.39,-18.25)
DDS_PLL_LOCK3: IC2D.19 IC10.49 | length 114.3
  L1 w0.127: IC2D.19@3,-75.2 3,-73.828 v1(3.025,-73.803) ; v1(52.39,-18.25) 52.35,-18.21 52.39,-18.21 52.943,-18.21 54.35,-16.803 IC10.49@54.35,-15.853
  L3 w0.127: v1(39.57,-19) 39.57,-26.195 39.256,-26.509 39.256,-28.486 39.64,-28.87 39.64,-31.924 40.327,-32.611 40.327,-32.934 40.738,-33.345 40.738,-39.923 40.967,-40.152 40.967,-62.656 40.586,-63.037 40.586,-65.425 41.677,-66.516 41.677,-70.176 41.551,-70.302 40.434,-70.302 40.307,-70.429 40.307,-72.689 v1(39.824,-73.172)
  L4 w0.127: v1(3.025,-73.803) 3.642,-73.803 4.307,-74.468 4.693,-74.468 4.718,-74.443 4.926,-74.443 5.782,-73.587 5.794,-73.599 6.619,-73.599 6.877,-73.341 6.877,-73.308 11.914,-73.308 12.117,-73.511 15.302,-73.511 15.731,-73.94 23.181,-73.94 23.529,-74.289 24.334,-74.289 25.123,-73.5 33.035,-73.5 33.268,-73.733 33.632,-73.733 33.865,-73.5 39.496,-73.5 v1(39.824,-73.172) ; v1(39.57,-19) 39.589,-18.981 44.54,-18.981 45.123,-18.397 47.392,-18.397 47.995,-19 51.64,-19 v1(52.39,-18.25)
DDS_PROFILE.P0: IC2A.54 IC2B.54 IC2C.54 IC2D.54 IC10.130 | length 137.7
  L1 w0.127: v1(4.5,-61.028) IC2D.54@4.5,-59.8 ; v1(4.5,-38.528) IC2C.54@4.5,-37.3 ; v1(4.5,-16.028) IC2B.54@4.5,-14.8 ; v1(4.5,6.472) IC2A.54@4.5,7.7 ; IC10.130@55.35,5.547 55.368,5.566 v1(55.368,11.307)
  L3 w0.127: v1(4.5,-61.028) 4.5,-57.003 4.253,-56.756 4.253,-52.703 3.476,-51.927 3.476,-48.203 4.5,-47.179 v1(4.5,-38.528) 4.493,-38.521 4.493,-31.619 3.476,-30.603 3.476,-17.394 4.5,-16.37 v1(4.5,-16.028) 4.5,-8.057 3.476,-7.033 3.476,5.449 v1(4.5,6.472) 4.5,12.026 v1(4.518,12.044)
  L4 w0.127: v1(4.518,12.044) 4.754,12.281 54.52,12.281 55.368,11.432 v1(55.368,11.307)
DDS_PROFILE.P1: IC2A.53 IC2B.53 IC2C.53 IC2D.53 IC10.131 | length 138.8
  L1 w0.127: IC2D.53@5,-59.8 5.05,-59.85 v1(5.05,-61.428) ; IC2C.53@5,-37.3 5.05,-37.35 v1(5.05,-38.928) ; IC2B.53@5,-14.8 5.05,-14.85 v1(5.05,-16.428) ; IC2A.53@5,7.7 5.051,7.649 v1(5.051,6.101) ; v1(54.53,11.612) 54.85,11.292 IC10.131@54.85,5.547
  L3 w0.127: v1(5.05,-61.428) 5.05,-57.158 4.532,-56.64 4.532,-52.587 3.755,-51.811 3.755,-48.318 5.03,-47.043 5.03,-38.947 v1(5.05,-38.928) 5.05,-36.914 4.772,-36.636 4.772,-30.732 3.755,-29.715 3.755,-28.694 3.908,-28.541 3.908,-17.965 5.05,-16.823 v1(5.05,-16.428) 5.05,-8.212 3.755,-6.918 3.755,4.514 5.051,5.81 v1(5.051,6.101) 5.051,11.61 5.05,11.611 v1(5.102,11.663)
  L4 w0.127: v1(5.102,11.663) 5.44,12.002 53.545,12.002 53.934,11.612 v1(54.53,11.612)